# KiCad board LV08.kicad_pcb (continued)
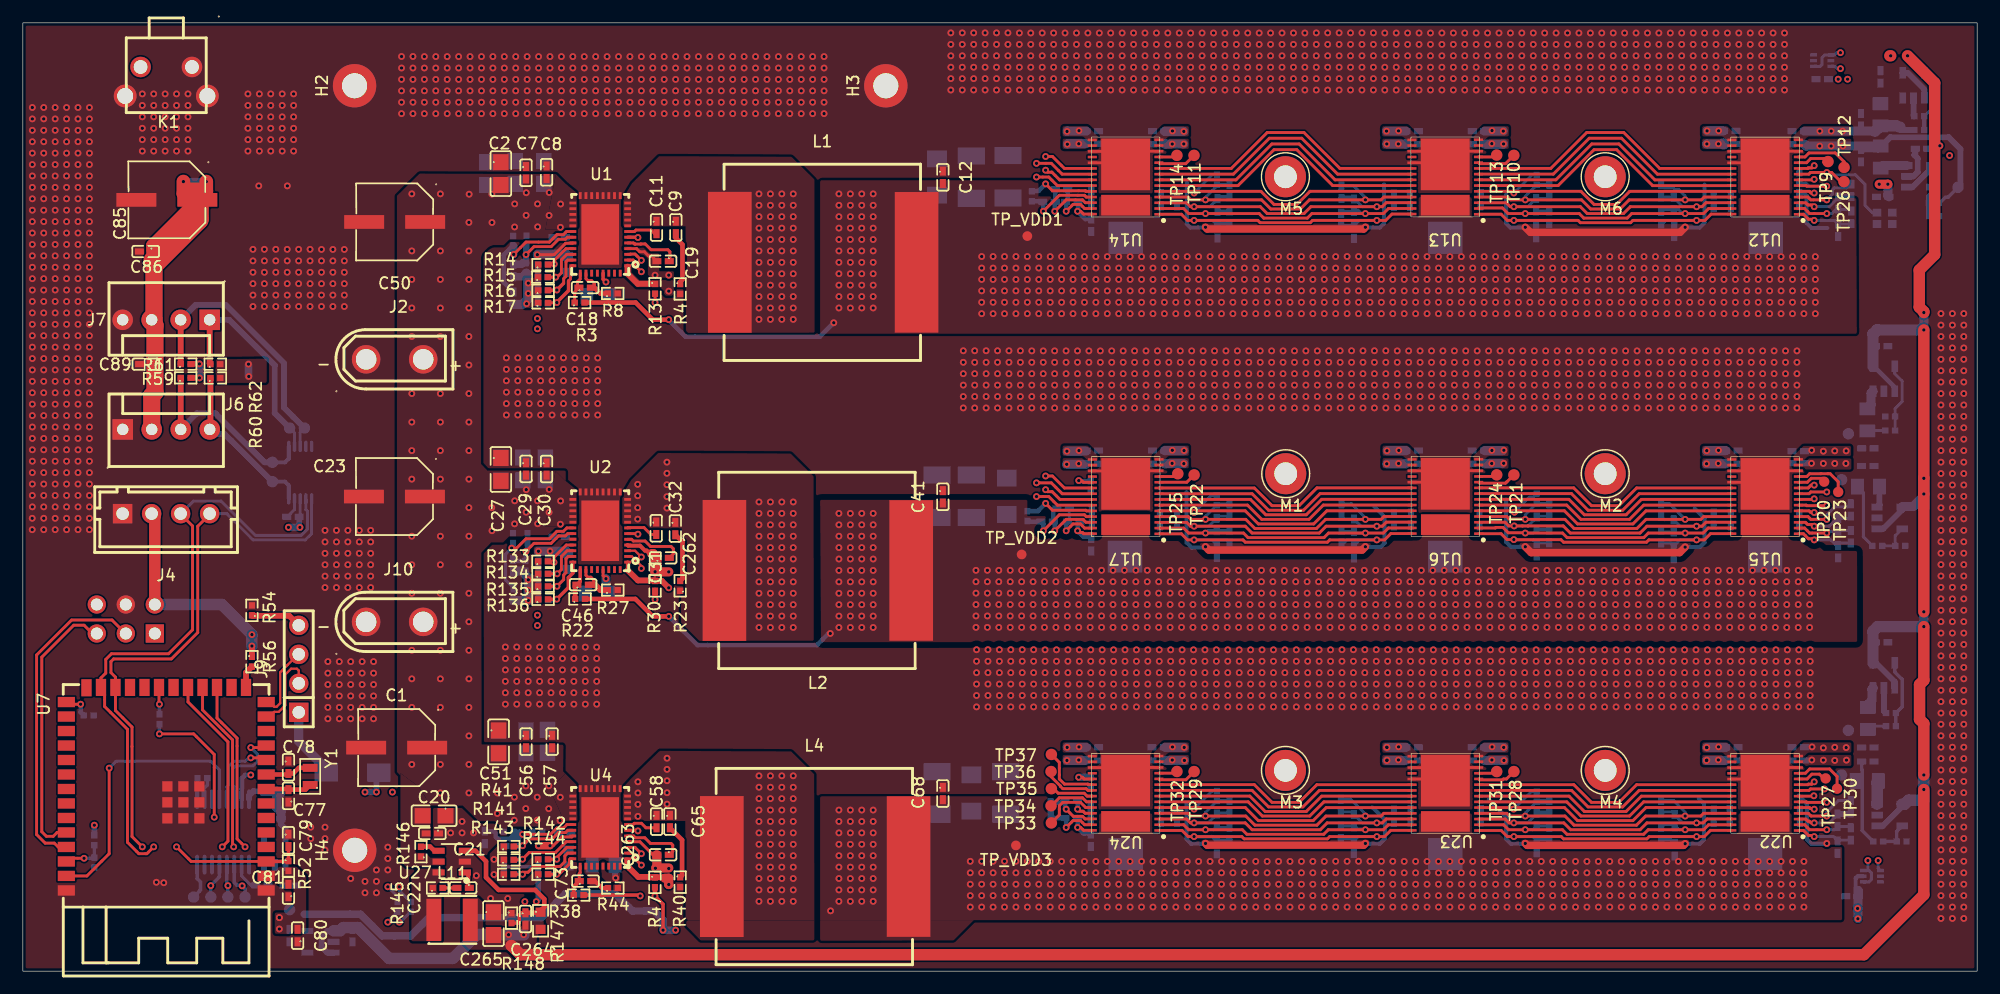
[diagram p0: board, top side]
## Routing (per net, layer and track width the routed paths; a pad name or vN(x,y) marks a point on that pad's centre or on a via; arc(x,y) is an arc through that point) (continued)
/BM1366_mode1_sheet_2/0V8_2: length 14
  Bottom w0.254: L8.2 161.16,41.95 161.16,38.07 R103.2
  Bottom w0.8: C155.2 128.01,44.48 129.54,44.48 ; v1(101.66,44.48) 100.02,44.48 C159.2 ; v1(119.43,44.46) 121.11,44.46 ; v1(147.44,44.47) C154.2 ; v1(91.41,44.42) 93.08,44.42
  vias: v1(92.46,44.48) v1(100.64,44.51) v1(120.47,44.5) v1(128.62,44.49) v1(129.67,44.51) v1(148.46,44.5) v1(156.62,44.51) v1(157.66,44.5) v1(158.66,44.5) v1(159.64,44.5)
/BM1366_mode1_sheet_2/1V8_2: length 9.8
  Bottom w0.254: R101.2 161.53,47.37 L7.2
  Bottom w0.8: 129.56,45.62 129.56,45.62 C156.2 ; v1(147.45,45.61) 147.46,45.62 C153.2 ; 121.11,45.61 119.46,45.61 ; 93.08,45.57 91.43,45.57 ; v1(101.68,45.62) 100.01,45.62 C160.2
  vias: v1(91.43,45.57) v1(92.48,45.62) v1(100.65,45.65) v1(119.45,45.61) v1(120.49,45.64) v1(128.64,45.64) v1(129.69,45.65) v1(148.48,45.64) v1(156.64,45.65) v1(157.66,45.57) v1(158.66,45.59) v1(159.66,45.59)
/BM1366_mode1_sheet_2/VDD_2: length 23.6
  Top w0.4: v1(56.56,31.09) 55.16,31.09 53.63,32.62 R22.2
  Bottom w0.4: v1(70.7,29.6) 70.55,29.6 69.54,28.58 59.07,28.58 56.56,31.09 v1(56.56,31.09)
  vias: v1(71.46,40.12) v1(71.46,39.12) v1(71.46,38.12) v1(71.46,37.12) v1(71.46,36.12) v1(71.46,35.12) v1(71.46,34.12) v1(71.46,33.12) v1(71.46,32.12) v1(71.46,31.12) v1(71.46,30.12) v1(72.46,40.12) v1(72.46,39.12) v1(72.46,38.12) v1(72.46,37.12) v1(72.46,36.12) v1(72.46,35.12) v1(72.46,34.12) v1(72.46,33.12) v1(72.46,32.12) v1(72.46,31.12) v1(72.46,30.12) v1(73.46,40.12) v1(73.46,39.12) v1(73.46,38.12) v1(73.46,37.12) v1(73.46,36.12) v1(73.46,35.12) v1(73.46,34.12) v1(73.46,33.12) v1(73.46,32.12) v1(73.46,31.12) v1(73.46,30.12) v1(74.46,40.12) v1(74.46,39.12) v1(74.46,38.12) v1(74.46,37.12) v1(74.46,36.12) v1(74.46,35.12) v1(74.46,34.12) v1(74.46,33.12) v1(74.46,32.12) v1(74.46,31.12) v1(74.46,30.12) v1(83.46,35.13) v1(83.46,34.13) v1(83.46,33.13) v1(83.46,32.13) v1(83.46,31.13) v1(83.46,30.13) v1(84.46,35.13) v1(84.46,34.13) v1(84.46,33.13) v1(84.46,32.13) v1(84.46,31.13) v1(84.46,30.13) v1(85.46,35.13) v1(85.46,34.13) v1(85.46,33.13) v1(85.46,32.13) v1(85.46,31.13) v1(85.46,30.13) v1(86.46,35.13) v1(86.46,34.13) v1(86.46,33.13) v1(86.46,32.13) v1(86.46,31.13) v1(86.46,30.13) v1(87.46,35.13) v1(87.46,34.13) v1(87.46,33.13) v1(87.46,32.13) v1(87.46,31.13) v1(87.46,30.13) v1(88.46,35.13) v1(88.46,34.13) v1(88.46,33.13) v1(88.46,32.13) v1(88.46,31.13) v1(88.46,30.13) v1(89.46,35.13) v1(89.46,34.13) v1(89.46,33.13) v1(89.46,32.13) v1(89.46,31.13) v1(89.46,30.13) v1(90.46,35.13) v1(90.46,34.13) v1(90.46,33.13) v1(90.46,32.13) v1(90.46,31.13) v1(90.46,30.13) v1(91.46,35.13) v1(91.46,34.13) v1(91.46,33.13) v1(91.46,32.13) v1(91.46,31.13) v1(91.46,30.13) v1(92.46,35.13) v1(92.46,34.13) v1(92.46,33.13) v1(92.46,32.13) v1(92.46,31.13) v1(92.46,30.13) v1(93.46,35.13) v1(93.46,34.13) v1(93.46,33.13) v1(93.46,32.13) v1(93.46,31.13) v1(93.46,30.13) v1(94.46,35.13) v1(94.46,34.13) v1(94.46,33.13) v1(94.46,32.13) v1(94.46,31.13) v1(94.46,30.13) v1(95.46,35.13) v1(95.46,34.13) v1(95.46,33.13) v1(95.46,32.13) v1(95.46,31.13) v1(95.46,30.13) v1(96.46,35.13) v1(96.46,34.13) v1(96.46,33.13) v1(96.46,32.13) v1(96.46,31.13) v1(96.46,30.13) v1(97.46,35.13) v1(97.46,34.13) v1(97.46,33.13) v1(97.46,32.13) v1(97.46,31.13) v1(97.46,30.13) v1(98.46,35.13) v1(98.46,34.13) v1(98.46,33.13) v1(98.46,32.13) v1(98.46,31.13) v1(98.46,30.13) v1(99.46,35.13) v1(99.46,34.13) v1(99.46,33.13) v1(99.46,32.13) v1(99.46,31.13) v1(99.46,30.13) v1(100.46,35.13) v1(100.46,34.13) v1(100.46,33.13) v1(100.46,32.13) v1(100.46,31.13) v1(100.46,30.13) v1(101.46,35.13) v1(101.46,34.13) v1(101.46,33.13) v1(101.46,32.13) v1(101.46,31.13) v1(101.46,30.13) v1(102.46,35.13) v1(102.46,34.13) v1(102.46,33.13) v1(102.46,32.13) v1(102.46,31.13) v1(102.46,30.13) v1(103.46,35.13) v1(103.46,34.13) v1(103.46,33.13) v1(103.46,32.13) v1(103.46,31.13) v1(103.46,30.13) v1(104.46,35.13) v1(104.46,34.13) v1(104.46,33.13) v1(104.46,32.13) v1(104.46,31.13) v1(104.46,30.13) v1(105.46,35.13) v1(105.46,34.13) v1(105.46,33.13) v1(105.46,32.13) v1(105.46,31.13) v1(105.46,30.13) v1(106.46,35.13) v1(106.46,34.13) v1(106.46,33.13) v1(106.46,32.13) v1(106.46,31.13) v1(106.46,30.13) v1(107.46,35.13) v1(107.46,34.13) v1(107.46,33.13) v1(107.46,32.13) v1(107.46,31.13) v1(107.46,30.13) v1(108.46,35.13) v1(108.46,34.13) v1(108.46,33.13) v1(108.46,32.13) v1(108.46,31.13) v1(108.46,30.13) v1(109.46,35.13) v1(109.46,34.13) v1(109.46,33.13) v1(109.46,32.13) v1(109.46,31.13) v1(109.46,30.13) v1(110.46,35.13) v1(110.46,34.13) v1(110.46,33.13) v1(110.46,32.13) v1(110.46,31.13) v1(110.46,30.13) v1(111.46,35.13) v1(111.46,34.13) v1(111.46,33.13) v1(111.46,32.13) v1(111.46,31.13) v1(111.46,30.13) v1(112.46,35.13) v1(112.46,34.13) v1(112.46,33.13) v1(112.46,32.13) v1(112.46,31.13) v1(112.46,30.13) v1(113.46,35.13) v1(113.46,34.13) v1(113.46,33.13) v1(113.46,32.13) v1(113.46,31.13) v1(113.46,30.13) v1(114.46,35.13) v1(114.46,34.13) v1(114.46,33.13) v1(114.46,32.13) v1(114.46,31.13) v1(114.46,30.13) v1(115.46,35.13) v1(115.46,34.13) v1(115.46,33.13) v1(115.46,32.13) v1(115.46,31.13) v1(115.46,30.13) v1(116.46,35.13) v1(116.46,34.13) v1(116.46,33.13) v1(116.46,32.13) v1(116.46,31.13) v1(116.46,30.13) v1(117.46,35.13) v1(117.46,34.13) v1(117.46,33.13) v1(117.46,32.13) v1(117.46,31.13) v1(117.46,30.13) v1(118.46,35.13) v1(118.46,34.13) v1(118.46,33.13) v1(118.46,32.13) v1(118.46,31.13) v1(118.46,30.13) v1(119.46,35.13) v1(119.46,34.13) v1(119.46,33.13) v1(119.46,32.13) v1(119.46,31.13) v1(119.46,30.12) v1(120.46,35.13) v1(120.46,34.13) v1(120.46,33.13) v1(120.46,32.13) v1(120.46,31.13) v1(120.46,30.12) v1(121.46,35.13) v1(121.46,34.13) v1(121.46,33.13) v1(121.46,32.13) v1(121.46,31.13) v1(121.46,30.12) v1(122.46,35.13) v1(122.46,34.13) v1(122.46,33.13) v1(122.46,32.13) v1(122.46,31.13) v1(122.46,30.12) v1(123.46,35.13) v1(123.46,34.13) v1(123.46,33.13) v1(123.46,32.13) v1(123.46,31.13) v1(123.46,30.12) v1(124.46,35.13) v1(124.46,34.13) v1(124.46,33.13) v1(124.46,32.13) v1(124.46,31.13) v1(124.46,30.12) v1(125.46,35.13) v1(125.46,34.13) v1(125.46,33.13) v1(125.46,32.13) v1(125.46,31.13) v1(125.46,30.13) v1(126.46,35.13) v1(126.46,34.13) v1(126.46,33.13) v1(126.46,32.13) v1(126.46,31.13) v1(126.46,30.13) v1(127.46,35.13) v1(127.46,34.13) v1(127.46,33.13) v1(127.46,32.13) v1(127.46,31.13) v1(127.46,30.13) v1(128.46,35.13) v1(128.46,34.13) v1(128.46,33.13) v1(128.46,32.13) v1(128.46,31.13) v1(128.46,30.13) v1(129.46,35.13) v1(129.46,34.13) v1(129.46,33.13) v1(129.46,32.13) v1(129.46,31.13) v1(129.46,30.13) v1(130.46,35.13) v1(130.46,34.13) v1(130.46,33.13) v1(130.46,32.13) v1(130.46,31.13) v1(130.46,30.13) v1(131.46,35.13) v1(131.46,34.13) v1(131.46,33.13) v1(131.46,32.13) v1(131.46,31.13) v1(131.46,30.13) v1(132.46,35.13) v1(132.46,34.13) v1(132.46,33.13) v1(132.46,32.13) v1(132.46,31.13) v1(132.46,30.13) v1(133.46,35.13) v1(133.46,34.13) v1(133.46,33.13) v1(133.46,32.13) v1(133.46,31.13) v1(133.46,30.13) v1(134.46,35.13) v1(134.46,34.13) v1(134.46,33.13) v1(134.46,32.13) v1(134.46,31.13) v1(134.46,30.13) v1(135.46,35.13) v1(135.46,34.13) v1(135.46,33.13) v1(135.46,32.13) v1(135.46,31.13) v1(135.46,30.13) v1(136.46,35.13) v1(136.46,34.13) v1(136.46,33.13) v1(136.46,32.13) v1(136.46,31.13) v1(136.46,30.13) v1(137.46,35.13) v1(137.46,34.13) v1(137.46,33.13) v1(137.46,32.13) v1(137.46,31.13) v1(137.46,30.13) v1(138.46,35.13) v1(138.46,34.13) v1(138.46,33.13) v1(138.46,32.13) v1(138.46,31.13) v1(138.46,30.13) v1(139.46,35.13) v1(139.46,34.13) v1(139.46,33.13) v1(139.46,32.13) v1(139.46,31.13) v1(139.46,30.13) v1(140.46,35.13) v1(140.46,34.13) v1(140.46,33.13) v1(140.46,32.13) v1(140.46,31.13) v1(140.46,30.13) v1(141.46,35.13) v1(141.46,34.13) v1(141.46,33.13) v1(141.46,32.13) v1(141.46,31.13) v1(141.46,30.13) v1(142.46,35.13) v1(142.46,34.13) v1(142.46,33.13) v1(142.46,32.13) v1(142.46,31.13) v1(142.46,30.13) v1(143.46,35.13) v1(143.46,34.13) v1(143.46,33.13) v1(143.46,32.13) v1(143.46,31.13) v1(143.46,30.13) v1(144.46,35.13) v1(144.46,34.13) v1(144.46,33.13) v1(144.46,32.13) v1(144.46,31.13) v1(144.46,30.13) v1(145.46,35.13) v1(145.46,34.13) v1(145.46,33.13) v1(145.46,32.13) v1(145.46,31.13) v1(145.46,30.13) v1(146.46,35.13) v1(146.46,34.13) v1(146.46,33.13) v1(146.46,32.13) v1(146.46,31.13) v1(146.46,30.13) v1(147.46,35.13) v1(147.46,34.13) v1(147.46,33.13) v1(147.46,32.13) v1(147.46,31.13) v1(147.46,30.13) v1(148.46,35.13) v1(148.46,34.13) v1(148.46,33.13) v1(148.46,32.13) v1(148.46,31.13) v1(148.46,30.13) v1(149.46,35.13) v1(149.46,34.13) v1(149.46,33.13) v1(149.46,32.13) v1(149.46,31.13) v1(149.46,30.13) v1(150.46,35.13) v1(150.46,34.13) v1(150.46,33.13) v1(150.46,32.13) v1(150.46,31.13) v1(150.46,30.13) v1(151.46,35.13) v1(151.46,34.13) v1(151.46,33.13) v1(151.46,32.13) v1(151.46,31.13) v1(151.46,30.12) v1(152.46,35.13) v1(152.46,34.13) v1(152.46,33.13) v1(152.46,32.13) v1(152.46,31.13) v1(152.46,30.12) v1(153.46,35.13) v1(153.46,34.13) v1(153.46,33.13) v1(153.46,32.13) v1(153.46,31.13) v1(153.46,30.12) v1(154.46,35.13) v1(154.46,34.13) v1(154.46,33.13) v1(154.46,32.13) v1(154.46,31.13) v1(154.46,30.12) v1(155.46,35.13) v1(155.46,34.13) v1(155.46,33.13) v1(155.46,32.13) v1(155.46,31.13) v1(155.46,30.12) v1(156.46,35.13) v1(156.46,34.13) v1(156.46,33.13) v1(156.46,32.13) v1(156.46,31.13) v1(156.46,30.12)
/BM1366_mode1_sheet_3/0V8_3: length 15.8
  Bottom w0.3: C259.2 161.01,17.67 161.06,17.62 161.06,12.34 R123.2
  Bottom w0.8: v1(129.69,18.47) 128.02,18.47 ; v1(119.43,18.47) 121.11,18.47 ; v1(91.43,18.47) 93.1,18.47 ; v1(147.42,18.47) 149.1,18.47 ; v1(101.71,18.47) 100.04,18.47
  vias: v1(92.46,18.51) v1(100.65,18.5) v1(119.46,18.5) v1(120.45,18.51) v1(128.64,18.51) v1(147.46,18.5) v1(148.47,18.51) v1(156.65,18.51) v1(157.66,18.5) v1(158.66,18.47) v1(159.69,18.5)
/BM1366_mode1_sheet_3/1V8_3: length 10
  Bottom w0.254: R121.2 161.84,21.47 L9.2
  Bottom w0.8: 121.11,19.62 119.45,19.62 ; 93.1,19.62 91.45,19.62 ; 149.1,19.62 147.45,19.62 ; 100.04,19.62 101.69,19.62 ; 128.02,19.62 129.67,19.62
  vias: v1(91.44,19.61) v1(92.48,19.65) v1(100.67,19.65) v1(101.69,19.61) v1(119.44,19.62) v1(119.45,19.61) v1(120.47,19.66) v1(128.66,19.65) v1(129.67,19.61) v1(147.44,19.61) v1(147.46,19.59) v1(148.48,19.66) v1(156.67,19.65) v1(157.66,19.57) v1(158.66,19.62) v1(159.66,19.59)
/BM1366_mode1_sheet_3/VDD_3: length 79.7
  Top w0.3: v1(54.06,6.59) 53.99,6.67 R38.2
  In2.Cu w0.3: v1(70.73,5.29) 70.73,5.27 69.66,4.2 58.26,4.2 57.56,4.9 55.76,4.9 v1(54.06,6.59)
  In2.Cu w0.35: v1(32.36,15.7) 38.26,9.8 38.26,7.9 41.16,5 45.46,5 45.86,5.4 48.06,5.4 48.96,6.3 53.76,6.3 v1(54.06,6.59)
  In4.Cu w0.35: v1(32.36,15.7) 32.13,15.47 32.13,15.17 31.56,14.59 28.96,14.59 28.56,15 8.46,15 v1(6.26,12.8)
  Bottom w0.508: v1(6.26,12.8) R55.2
  vias: v1(71.46,14.12) v1(71.46,13.12) v1(71.46,12.12) v1(71.46,11.12) v1(71.46,10.12) v1(71.46,9.12) v1(71.46,8.12) v1(71.46,7.12) v1(71.46,6.12) v1(72.46,14.12) v1(72.46,13.12) v1(72.46,12.12) v1(72.46,11.12) v1(72.46,10.12) v1(72.46,9.12) v1(72.46,8.12) v1(72.46,7.12) v1(72.46,6.12) v1(73.46,14.12) v1(73.46,13.12) v1(73.46,12.12) v1(73.46,11.12) v1(73.46,10.12) v1(73.46,9.12) v1(73.46,8.12) v1(73.46,7.12) v1(73.46,6.12) v1(74.46,14.12) v1(74.46,13.12) v1(74.46,12.12) v1(74.46,11.12) v1(74.46,10.12) v1(74.46,9.12) v1(74.46,8.12) v1(74.46,7.12) v1(74.46,6.12) v1(82.96,9.63) v1(82.96,8.62) v1(82.96,7.62) v1(82.96,6.62) v1(82.96,5.62) v1(83.96,9.63) v1(83.96,8.62) v1(83.96,7.62) v1(83.96,6.62) v1(83.96,5.62) v1(84.96,9.63) v1(84.96,8.62) v1(84.96,7.62) v1(84.96,6.62) v1(84.96,5.62) v1(85.96,9.63) v1(85.96,8.62) v1(85.96,7.62) v1(85.96,6.62) v1(85.96,5.62) v1(86.96,9.63) v1(86.96,8.62) v1(86.96,7.62) v1(86.96,6.62) v1(86.96,5.62) v1(87.96,9.63) v1(87.96,8.62) v1(87.96,7.62) v1(87.96,6.62) v1(87.96,5.62) v1(88.96,9.62) v1(88.96,8.62) v1(88.96,7.62) v1(88.96,6.62) v1(88.96,5.62) v1(89.96,9.62) v1(89.96,8.62) v1(89.96,7.62) v1(89.96,6.62) v1(89.96,5.62) v1(90.96,9.62) v1(90.96,8.62) v1(90.96,7.62) v1(90.96,6.62) v1(90.96,5.62) v1(91.96,9.62) v1(91.96,8.62) v1(91.96,7.62) v1(91.96,6.62) v1(91.96,5.62) v1(92.96,9.62) v1(92.96,8.62) v1(92.96,7.62) v1(92.96,6.62) v1(92.96,5.62) v1(93.96,9.62) v1(93.96,8.62) v1(93.96,7.62) v1(93.96,6.62) v1(93.96,5.62) v1(94.96,9.62) v1(94.96,8.62) v1(94.96,7.62) v1(94.96,6.62) v1(94.96,5.62) v1(95.96,9.62) v1(95.96,8.62) v1(95.96,7.62) v1(95.96,6.62) v1(95.96,5.62) v1(96.96,9.62) v1(96.96,8.62) v1(96.96,7.62) v1(96.96,6.62) v1(96.96,5.62) v1(97.96,9.62) v1(97.96,8.62) v1(97.96,7.62) v1(97.96,6.62) v1(97.96,5.62) v1(98.96,9.62) v1(98.96,8.62) v1(98.96,7.62) v1(98.96,6.62) v1(98.96,5.62) v1(99.96,9.62) v1(99.96,8.62) v1(99.96,7.62) v1(99.96,6.62) v1(99.96,5.62) v1(100.96,9.62) v1(100.96,8.62) v1(100.96,7.62) v1(100.96,6.62) v1(100.96,5.62) v1(101.96,9.62) v1(101.96,8.62) v1(101.96,7.62) v1(101.96,6.62) v1(101.96,5.62) v1(102.96,9.62) v1(102.96,8.62) v1(102.96,7.62) v1(102.96,6.62) v1(102.96,5.62) v1(103.96,9.62) v1(103.96,8.62) v1(103.96,7.62) v1(103.96,6.62) v1(103.96,5.62) v1(104.96,9.62) v1(104.96,8.62) v1(104.96,7.62) v1(104.96,6.62) v1(104.96,5.62) v1(105.96,9.62) v1(105.96,8.62) v1(105.96,7.62) v1(105.96,6.62) v1(105.96,5.62) v1(106.96,9.62) v1(106.96,8.62) v1(106.96,7.62) v1(106.96,6.62) v1(106.96,5.62) v1(107.96,9.62) v1(107.96,8.62) v1(107.96,7.62) v1(107.96,6.62) v1(107.96,5.62) v1(108.96,9.62) v1(108.96,8.62) v1(108.96,7.62) v1(108.96,6.62) v1(108.96,5.62) v1(109.96,9.62) v1(109.96,8.62) v1(109.96,7.62) v1(109.96,6.62) v1(109.96,5.62) v1(110.96,9.62) v1(110.96,8.62) v1(110.96,7.62) v1(110.96,6.62) v1(110.96,5.62) v1(111.96,9.62) v1(111.96,8.62) v1(111.96,7.62) v1(111.96,6.62) v1(111.96,5.62) v1(112.96,9.62) v1(112.96,8.62) v1(112.96,7.62) v1(112.96,6.62) v1(112.96,5.62) v1(113.96,9.62) v1(113.96,8.62) v1(113.96,7.62) v1(113.96,6.62) v1(113.96,5.62) v1(114.96,9.63) v1(114.96,8.62) v1(114.96,7.62) v1(114.96,6.62) v1(114.96,5.62) v1(115.96,9.63) v1(115.96,8.62) v1(115.96,7.62) v1(115.96,6.62) v1(115.96,5.62) v1(116.96,9.63) v1(116.96,8.62) v1(116.96,7.62) v1(116.96,6.62) v1(116.96,5.62) v1(117.96,9.63) v1(117.96,8.62) v1(117.96,7.62) v1(117.96,6.62) v1(117.96,5.62) v1(118.96,9.63) v1(118.96,8.62) v1(118.96,7.62) v1(118.96,6.62) v1(118.96,5.62) v1(119.96,9.63) v1(119.96,8.62) v1(119.96,7.62) v1(119.96,6.62) v1(119.96,5.62) v1(120.96,9.62) v1(120.96,8.62) v1(120.96,7.62) v1(120.96,6.62) v1(120.96,5.62) v1(121.96,9.62) v1(121.96,8.62) v1(121.96,7.62) v1(121.96,6.62) v1(121.96,5.62) v1(122.96,9.62) v1(122.96,8.62) v1(122.96,7.62) v1(122.96,6.62) v1(122.96,5.62) v1(123.96,9.62) v1(123.96,8.62) v1(123.96,7.62) v1(123.96,6.62) v1(123.96,5.62) v1(124.96,9.62) v1(124.96,8.62) v1(124.96,7.62) v1(124.96,6.62) v1(124.96,5.62) v1(125.96,9.62) v1(125.96,8.62) v1(125.96,7.62) v1(125.96,6.62) v1(125.96,5.62) v1(126.96,9.62) v1(126.96,8.62) v1(126.96,7.62) v1(126.96,6.62) v1(126.96,5.62) v1(127.96,9.62) v1(127.96,8.62) v1(127.96,7.62) v1(127.96,6.62) v1(127.96,5.62) v1(128.96,9.62) v1(128.96,8.62) v1(128.96,7.62) v1(128.96,6.62) v1(128.96,5.62) v1(129.96,9.62) v1(129.96,8.62) v1(129.96,7.62) v1(129.96,6.62) v1(129.96,5.62) v1(130.96,9.62) v1(130.96,8.62) v1(130.96,7.62) v1(130.96,6.62) v1(130.96,5.62) v1(131.96,9.62) v1(131.96,8.62) v1(131.96,7.62) v1(131.96,6.62) v1(131.96,5.62) v1(132.96,9.62) v1(132.96,8.62) v1(132.96,7.62) v1(132.96,6.62) v1(132.96,5.62) v1(133.96,9.62) v1(133.96,8.62) v1(133.96,7.62) v1(133.96,6.62) v1(133.96,5.62) v1(134.96,9.62) v1(134.96,8.62) v1(134.96,7.62) v1(134.96,6.62) v1(134.96,5.62) v1(135.96,9.62) v1(135.96,8.62) v1(135.96,7.62) v1(135.96,6.62) v1(135.96,5.62) v1(136.96,9.62) v1(136.96,8.62) v1(136.96,7.62) v1(136.96,6.62) v1(136.96,5.62) v1(137.96,9.62) v1(137.96,8.62) v1(137.96,7.62) v1(137.96,6.62) v1(137.96,5.62) v1(138.96,9.62) v1(138.96,8.62) v1(138.96,7.62) v1(138.96,6.62) v1(138.96,5.62) v1(139.96,9.62) v1(139.96,8.62) v1(139.96,7.62) v1(139.96,6.62) v1(139.96,5.62) v1(140.96,9.62) v1(140.96,8.62) v1(140.96,7.62) v1(140.96,6.62) v1(140.96,5.62) v1(141.96,9.62) v1(141.96,8.62) v1(141.96,7.62) v1(141.96,6.62) v1(141.96,5.62) v1(142.96,9.62) v1(142.96,8.62) v1(142.96,7.62) v1(142.96,6.62) v1(142.96,5.62) v1(143.96,9.62) v1(143.96,8.62) v1(143.96,7.62) v1(143.96,6.62) v1(143.96,5.62) v1(144.96,9.62) v1(144.96,8.62) v1(144.96,7.62) v1(144.96,6.62) v1(144.96,5.62) v1(145.96,9.62) v1(145.96,8.62) v1(145.96,7.62) v1(145.96,6.62) v1(145.96,5.62) v1(146.96,9.62) v1(146.96,8.62) v1(146.96,7.62) v1(146.96,6.62) v1(146.96,5.62) v1(147.96,9.62) v1(147.96,8.62) v1(147.96,7.62) v1(147.96,6.62) v1(147.96,5.62) v1(148.96,9.62) v1(148.96,8.62) v1(148.96,7.62) v1(148.96,6.62) v1(148.96,5.62) v1(149.96,9.62) v1(149.96,8.62) v1(149.96,7.62) v1(149.96,6.62) v1(149.96,5.62) v1(150.96,9.62) v1(150.96,8.62) v1(150.96,7.62) v1(150.96,6.62) v1(150.96,5.62) v1(151.96,9.62) v1(151.96,8.62) v1(151.96,7.62) v1(151.96,6.62) v1(151.96,5.62) v1(152.96,9.62) v1(152.96,8.62) v1(152.96,7.62) v1(152.96,6.62) v1(152.96,5.62) v1(153.96,9.62) v1(153.96,8.62) v1(153.96,7.62) v1(153.96,6.62) v1(153.96,5.62) v1(154.96,9.62) v1(154.96,8.62) v1(154.96,7.62) v1(154.96,6.62) v1(154.96,5.62) v1(155.96,9.62) v1(155.96,8.62) v1(155.96,7.62) v1(155.96,6.62) v1(155.96,5.62)
/Buck_Converters_TPS546D24ARVFR/AGND0: length 16.1
  Top w0.3: v1(51.06,60.4) 50.81,60.65 U1.37
  In2.Cu w0.508: v1(44.26,60.3) v1(44.26,59.4) 44.26,58.95 44.11,58.8 v1(44.11,58.5) 45.56,58.5 46.26,57.8 47.06,57.8 49.66,60.4 v1(51.06,60.4)
  Bottom w0.65: C17.1 43.72,60.86 R5.1
  Bottom w0.8: C10.2 43.74,58.43 44.21,58.9 44.21,61.04 44.08,61.17
/Buck_Converters_TPS546D24ARVFR/AGND1: length 18.5
  Top w0.254: U2.37 50.81,34.65 v1(51.06,34.4)
  In2.Cu w0.508: v1(51.06,34.4) 49.66,34.4 47.06,31.8 46.46,31.8 45.76,32.5 v1(44.26,32.5) v1(44.26,33.4) v1(44.26,34.3)
  Bottom w0.508: 43.1,35.09 R24.1
  Bottom w0.8: v1(51.06,34.4) 51.06,33.32 R98.2 ; 43.12,35.07 43.68,35.07 44.26,34.49 v1(44.26,34.3) v1(44.26,32.5) ; v1(44.26,33.4) 44.26,32.92 43.82,32.48 C33.2
/Buck_Converters_TPS546D24ARVFR/AGND2: length 14
  In2.Cu w0.65: v1(51.91,8.17) 51.88,8.2 48.16,8.2 47.29,7.32 42.43,7.32 41.29,8.47 v1(41.26,8.47) v1(41.26,9.8)
  Bottom w0.508: R99.2 51.86,8.22 v1(51.91,8.17)
/ESP32/VDD_SAMPLE: length 3.7
  Top w0.254: U7.38 4.03,9.62 4.31,9.9 v1(5.36,9.9)
  Bottom w0.3: v1(5.36,9.9) 6.2,9.9 R57.1 R55.1
GND: length 232.4
  Top w0.254: U22.30 151.42,17.84 U22.17 ; U22.30 153.71,17.85 U22.12 ; U22.30 152.42,16.84 U22.19 ; U17.17 95.43,43.84 U17.30 97.72,43.85 U17.12 ; U14.30 95.42,71.85 U14.17 ; U14.30 96.42,70.85 U14.19 ; U14.30 97.71,71.86 U14.12 ; U16.30 125.72,43.86 U16.12 ; U16.30 124.42,42.85 U16.19 ; U16.30 123.42,43.85 U16.17 ; U23.17 123.42,17.84 U23.30 ; U23.30 125.72,17.85 U23.12 ; U23.30 124.42,16.84 U23.19 ; U13.19 124.41,70.85 U13.30 ; U15.30 152.42,42.84 U15.19 ; U15.30 151.42,43.84 U15.17 ; U15.30 153.71,43.85 U15.12 ; U13.12 125.7,71.86 U13.30 ; U13.30 123.41,71.85 U13.17 ; U12.30 153.71,71.86 U12.12 ; U12.30 152.42,70.85 U12.19 ; U12.30 151.42,71.85 U12.17 ; U24.12 97.72,17.85 U24.30 95.42,17.84 U24.17
  Top w0.65: v1(103.56,37.2) 103.84,36.91 117.28,36.91 v1(117.56,37.2) ; v1(131.56,11.2) 131.73,11.03 145.42,11.03 v1(145.56,11.17) ; v1(131.56,37.2) 132.07,36.68 145.08,36.68 v1(145.56,37.16) ; v1(103.56,11.2) 103.71,11.04 117.41,11.04 v1(117.56,11.2) ; v1(117.56,65.2) 117.41,65.04 103.71,65.04 v1(103.56,65.2)
  Bottom w0.254: C83.2 19.99,7.52 19.16,8.35 U8.2 ; U9.4 23.79,40.45 23.21,39.87 23.21,39.82
  Bottom w0.3: U8.10 15.8,15.19 15.8,15.96 16.16,16.32 R58.1
  Bottom w0.35: 101.92,69.09 101.92,65.49 102.24,65.17 103.53,65.17 v1(103.56,65.2) ; v1(131.56,37.2) 130.3,37.2 129.89,37.61 129.89,41.33 ; 119.19,68.97 119.19,65.54 118.83,65.17 117.59,65.17 v1(117.56,65.2) ; 118.18,14.36 119.27,13.26 119.27,11.62 118.82,11.17 117.59,11.17 v1(117.56,11.2) ; C175.1 155.98,68.17 156.2,67.95 156.2,65.57 156.64,65.13 158,65.13 ; v1(145.56,37.16) 146.85,37.16 147.26,37.57 147.26,39.68 146.4,40.54 ; 146.75,15.14 147.21,14.69 147.21,11.54 146.84,11.17 v1(145.56,11.17) ; v1(131.56,11.2) 131.53,11.17 130.3,11.17 129.89,11.58 129.89,13.52 128.36,15.04 ; v1(103.56,11.2) 103.53,11.17 102.3,11.17 101.9,11.57 101.9,14.74 ; v1(157.96,11.2) 157.93,11.17 156.6,11.17 156.23,11.54 156.23,14.66 155.49,15.4 ; 101.9,41.99 101.9,37.57 102.36,37.11 103.48,37.11 v1(103.56,37.2) ; 118.36,40.7 119.24,39.81 119.24,37.52 118.89,37.17 117.59,37.17 v1(117.56,37.2)
  Bottom w0.508: C166.1 165.71,71.62 165.62,71.53 165.93,71.23 165.93,70.03 165.55,69.66 U19.2 ; U25.2 162.96,22.8 R122.1 ; R95.1 165.56,74.99 U18.2